# Altium PCB 大风车第三版.PcbDoc (part 1 of 2) (continued)
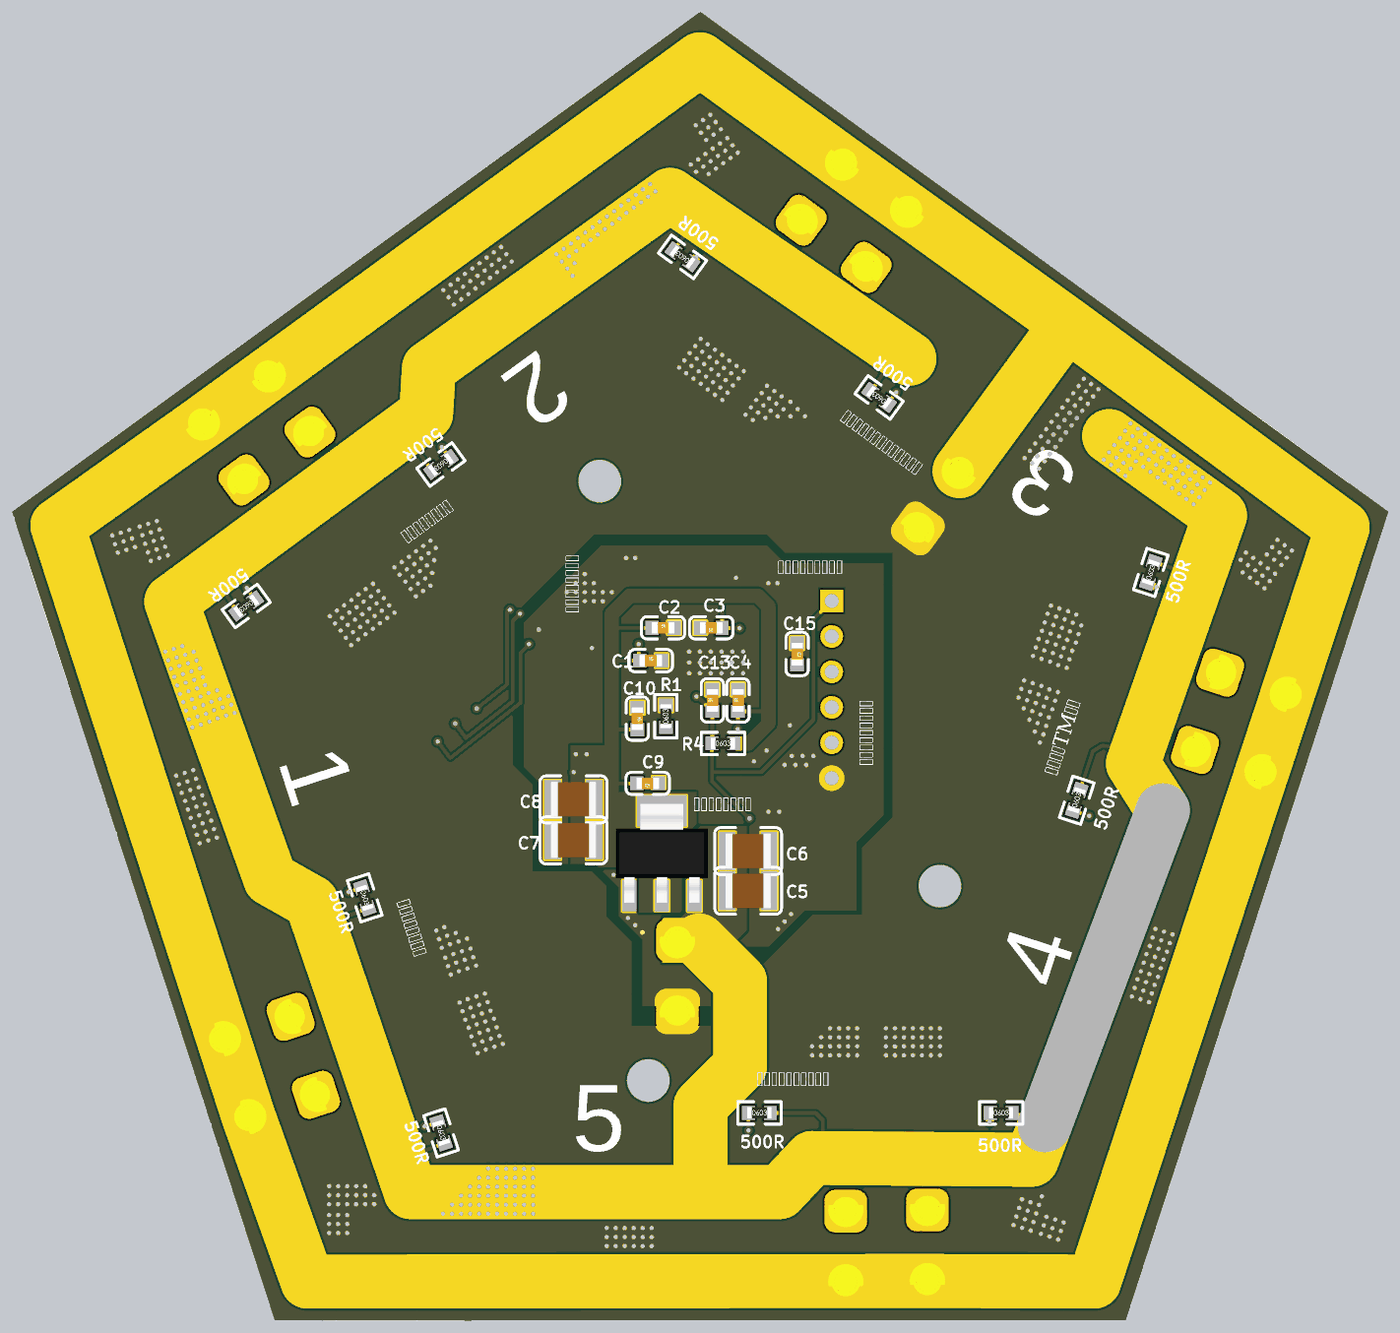
[diagram p6: 3D render of the assembled board from below, using the file's embedded part models]

## Layer stack, top to bottom
Top Solder: solder mask 0.0102, Solder Resist, Dk 3.5
Top Layer: signal copper 0.035
Dielectric 2: prepreg 0.0711, PP-006, Dk 4.1
Second Layer: signal copper 0.0356
Dielectric 1: dielectric 0.32, FR-4, Dk 4.8
Third Layer: signal copper 0.0356
Dielectric 3: prepreg 0.0711, PP-006, Dk 4.1
Bottom Layer 1: signal copper 0.035
Bottom Solder: solder mask 0.0102, Solder Resist, Dk 3.5

## Board outline
153.279,59.643 134.738,116.706 183.279,151.973 231.82,116.706 213.279,59.643

## Design rules (kind name [scope] priority, off if disabled: settings)
Clearance [All] p1: gap=0.152 ignorepadtopadclearanceinfootprint=FALSE
ComponentClearance [All] p1: gap=0 collisioncheckmode=3 verticalgap=0 showdistances=FALSE
PolygonConnect [All] p1: connectstyle=Direct reliefconductorwidth=0.254 reliefentries=4 polygonreliefangle="90 Angle" airgapwidth=0.254
RoutingVias [All] p1: holewidth=0.305 width=0.61 viastyle="Through Hole" minholewidth=0.305 minwidth=0.61 maxholewidth=0.711 maxwidth=1.27
SolderMaskExpansion [All] p1: expansion=0.102 istentingtop=FALSE
Width [All] p1: maxlimit=3.81 minlimit=0.203 preferedwidth=0.254
29 further rules are at their usual default settings.

## Classes and differential pairs
component class 大风车灯条: 10K C17 C18 D18 D19 D20 D21 D22 D23 D24 D25 G7 G8 G9 G10 I7 I8 I9 I10 J5 J6 P9 P10 P11 P12 R X4 X5
component class 大风车灯条2: 10K C16 D14 D15 D16 D17 G5 G6 I5 I6 J4 P7 P8 R X3
component class 大风车灯条1: 10K C14 C15 D6 D7 D8 D9 D10 D11 D12 D13 G1 G2 G3 G4 I1 I2 I3 I4 J2 J3 P3 P4 P5 P6 R X1
component class 大风车: C1 C2 C3 C4 C5 C6 C7 C8 C9 C10 C11 C12 C13 D1 D2 D3 D4 D5 J1 P1 P2 r R R1 R4 U1 U2 Y1 Z1

## Components (designator, comment, footprint, x,y, rotation, side; value= is the part's Value field where it differs from the comment)
10K "10K" 0603_R 160.914,111.39 r108 top (schematic designator R26)
10K "10K" 0603_R 202.108,108.85 r324 top (schematic designator R57)
10K "10K" 0603_R 162.783,105.64 r108 top (schematic designator R27)
10K "10K" 0603_R 207.044,105.333 r324 top (schematic designator R56)
10K "10K" 0603_R 199.524,103.52 r54 top (schematic designator R53)
10K "10K" 0603_R 201.042,102.417 r54 top (schematic designator R52)
10K "10K" 0603_R 196.531,85.297 r252 top (schematic designator R47)
10K "10K" 0603_R 194.63,79.446 r252 top (schematic designator R46)
10K "10K" 0603_R 190.455,86.175 r342 top (schematic designator R43)
10K "10K" 0603_R 189.847,84.304 r342 top (schematic designator R42)
10K "10K" 0603_R 172.138,82.604 r180 top (schematic designator R37)
10K "10K" 0603_R 171.096,88.7 r270 top (schematic designator R35)
10K "10K" 0603_R 166.069,82.731 r180 top (schematic designator R32)
10K "10K" 0603_R 169.211,88.7 r270 top (schematic designator R30)
10K "10K" 0603_R 168.02,108.437 r198 top (schematic designator R23)
10K "10K" 0603_R 167.444,110.209 r198 top (schematic designator R22)
10K "10K" 0603_R 186.31,125.33 r36 top (schematic designator R17)
10K "10K" 0603_R 181.548,121.714 r36 top (schematic designator R16)
10K "10K" 0603_R 187.292,118.634 r126 top (schematic designator R13)
10K "10K" 0603_R 185.84,117.579 r126 top (schematic designator R12)
500R "500R" 0603_R 201.572,120.042 r324 bottom (schematic designator R51)
500R "500R" 0603_R 215.31,110.061 r324 bottom (schematic designator R50)
500R "500R" 0603_R 206.948,89.468 r252 bottom (schematic designator R41)
500R "500R" 0603_R 201.56,72.887 r252 bottom (schematic designator R40)
500R "500R" 0603_R 179.103,74.294 r180 bottom (schematic designator R34)
500R "500R" 0603_R 162.046,74.294 r180 bottom (schematic designator R29)
500R "500R" 0603_R 156.715,96.357 r108 bottom (schematic designator R21)
500R "500R" 0603_R 151.493,112.428 r108 bottom (schematic designator R20)
500R "500R" 0603_R 184.529,134.693 r36 bottom (schematic designator R11)
500R "500R" 0603_R 170.661,124.774 r36 bottom (schematic designator R10)
C1 "?uF" 0603_C 186.761,106.208 r180 bottom
C2 "?uF" 0603_C 185.892,108.52 r180 bottom
C3 "?uF" 0603_C 182.514,108.52 r0 bottom
C4 "?uF" 0603_C 180.618,103.407 r90 bottom
C5 "47uF" 1210_C 179.899,89.971 r0 bottom
C6 "10uF" 1210_C 179.899,92.765 r0 bottom
C7 "47uF" 1210_C 192.225,93.527 r180 bottom
C8 "10uF" 1210_C 192.225,96.413 r180 bottom
C9 "?uF" 0603_C 186.992,97.548 r0 bottom
C10 "?uF" 0603_C 187.713,102.103 r270 bottom
C11 "15pF" 0603_C 191.563,102.534 r270 top
C12 "100nF" 0603_C 194.21,99.757 r0 top
C13 "100nF" 0603_C 182.423,103.407 r90 bottom
C14 "?uF" 0603_C 179.971,113.092 r0 top
C15 "?uF" 0603_C 176.443,106.667 r270 bottom
C16 "?uF" 0603_C 185.447,96.074 r180 top
C17 "?uF" 0603_C 193.892,108.393 r180 top
C18 "?uF" 0603_C 185.824,113.477 r180 top
D1 "LED0" LED-0603 187.598,91.655 r0 top
D2 "LED1" LED-0603 192.162,93.192 r270 top
D3 "LED2" LED-0603 176.465,90.366 r270 top
D4 "LED2" LED-0603 174.7,90.354 r270 top
D5 "LED2" LED-0603 172.935,90.354 r270 top
D6 "LED0" LED-0603 167.645,132.272 r306 top
D7 "LED0" LED-0603 178.963,140.495 r306 top
D8 "LED0" LED-0603 183.569,118.861 r36 top
D9 "LED0" LED-0603 188.367,122.428 r36 top
D10 "LED0" LED-0603 144.511,108.767 r18 top
D11 "LED0" LED-0603 148.721,95.81 r18 top
D12 "LED0" LED-0603 164.188,112.411 r108 top
D13 "LED0" LED-0603 166.178,106.699 r108 top
D14 "LED0" LED-0603 163.173,66.49 r90 top
D15 "LED0" LED-0603 166.111,86.287 r180 top
D16 "LED0" LED-0603 177.2,66.49 r90 top
D17 "LED0" LED-0603 172.179,86.16 r180 top
D18 "LED0" LED-0603 210.003,71.293 r162 top
D19 "LED0" LED-0603 214.438,84.941 r162 top
D20 "LED0" LED-0603 193.066,86.466 r252 top
D21 "LED0" LED-0603 191.165,80.616 r252 top
D22 "LED0" LED-0603 219.286,117.359 r234 top
D23 "LED0" LED-0603 208.004,125.555 r234 top
D24 "LED0" LED-0603 200.074,106.121 r324 top
D25 "LED0" LED-0603 204.978,102.559 r324 top
G1 "光耦" SMD-4 173.048,117.63 r216 top
G2 "光耦" SMD-4 186.89,127.531 r216 top
G3 "光耦" SMD-4 159.049,112.48 r288 top
G4 "光耦" SMD-4 164.27,96.409 r288 top
G5 "光耦" SMD-4 164.379,81.458 r0 top
G6 "光耦" SMD-4 181.435,81.458 r0 top
G7 "光耦" SMD-4 195.355,77.321 r72 top
G8 "光耦" SMD-4 200.726,93.85 r72 top
G9 "光耦" SMD-4 209.213,105.547 r144 top
G10 "光耦" SMD-4 195.481,115.524 r144 top
I1 "MOSFET-N" VSONP-8 178.026,130.656 r216 top
I2 "MOSFET-N" VSONP-8 182.862,134.17 r216 top
I3 "MOSFET-N" VSONP-8 151.443,110.843 r288 top
I4 "MOSFET-N" VSONP-8 153.312,105.093 r288 top
I5 "MOSFET-N" VSONP-8 163.663,74.354 r0 top
I6 "MOSFET-N" VSONP-8 169.732,74.354 r0 top
I7 "MOSFET-N" VSONP-8 202.527,74.35 r72 top
I8 "MOSFET-N" VSONP-8 204.41,80.146 r72 top
I9 "MOSFET-N" VSONP-8 214.391,111.351 r144 top
I10 "MOSFET-N" VSONP-8 209.488,114.913 r144 top
J1 "PH 6P" "XH 6P 2.54mm 立 贴" 174.006,104.164 r270 top
J2 "PH 3P" PH3P 149.182,112.949 r36 top
J3 "PH 3P" PH3P 161.379,72.322 r108 top
J4 "PH 3P" PH3P 203.876,71.155 r180 top
J5 "PH 3P" PH3P 217.967,111.369 r252 top
J6 "PH 3P" PH3P 183.955,137.119 r324 top
P1 "XT30" XT30-F 184.86,81.476 r90 top
P2 "XT30" XT30-F 167.893,115.531 r126 top
P3 "接线柱" XT30-F 171.541,133.951 r126 top
P4 "接线柱" XT30-F 176.127,137.283 r126 top
P5 "接线柱" XT30-F 146.593,105.328 r198 top
P6 "接线柱" XT30-F 148.366,99.872 r198 top
P7 "接线柱" XT30-F 167.282,67.422 r270 top
P8 "接线柱" XT30-F 173.041,67.345 r270 top
P9 "接线柱" XT30-F 210.42,75.591 r342 top
P10 "接线柱" XT30-F 212.208,81.092 r342 top
P11 "接线柱" XT30-F 215.463,118.984 r54 top
P12 "接线柱" XT30-F 210.811,122.365 r54 top
R "50K" 0603_R 162.485,111.901 r108 top (schematic designator R24)
R "50K" 0603_R 201.137,107.514 r324 top (schematic designator R55)
R "10K" 0603_R 172.985,93.549 r90 top (schematic designator R7)
R "10K" 0603_R 174.751,93.549 r90 top (schematic designator R6)
R "10K" 0603_R 176.516,93.549 r90 top (schematic designator R5)
R "50K" 0603_R 209.91,128.224 r54 top (schematic designator R49)
R "50K" 0603_R 221.317,119.936 r54 top (schematic designator R48)
R "50K" 0603_R 192.888,80.012 r252 top (schematic designator R44)
R "50K" 0603_R 217.565,83.953 r342 top (schematic designator R39)
R "50K" 0603_R 177.226,63.211 r270 top (schematic designator R33)
R "50K" 0603_R 163.045,63.211 r270 top (schematic designator R28)
R "50K" 0603_R 145.597,94.767 r198 top (schematic designator R19)
R "50K" 0603_R 141.327,107.909 r198 top (schematic designator R18)
R "50K" 0603_R 177.139,143.223 r126 top (schematic designator R9)
R "50K" 0603_R 165.696,134.909 r126 top (schematic designator R8)
R "50K" 0603_R 205.998,103.893 r324 top (schematic designator R54)
R "50K" 0603_R 194.789,85.863 r252 top (schematic designator R45)
R "50K" 0603_R 213.082,70.158 r342 top (schematic designator R38)
R "50K" 0603_R 172.138,84.382 r180 top (schematic designator R36)
R "50K" 0603_R 166.069,84.509 r180 top (schematic designator R31)
R "50K" 0603_R 164.474,106.189 r108 top (schematic designator R25)
R "50K" 0603_R 187.355,123.892 r36 top (schematic designator R15)
R "50K" 0603_R 182.593,120.275 r36 top (schematic designator R14)
R "100K" 0603_R 184.349,91.706 r0 top (schematic designator R2)
R "50K" 0603_R 192.213,96.402 r90 top (schematic designator R3)
R1 "10K" 0603_R 185.706,102.282 r90 bottom
R4 "10K" 0603_R 181.678,100.36 r180 bottom
U1 "STM32F103RGT6" STM32F1 202.222,73.019 r90 top
U2 "AMS1117" AMS1117 182.786,96.14 r0 bottom
X1 "XH5P" XH5P 158.13,114.186 r36 top
X2 "XH5P" XH5P 163.006,81.161 r108 top
X3 "XH5P" XH5P 195.782,75.54 r180 top
X4 "XH5P" XH5P 211.356,105.214 r252 top
X5 "XH5P" XH5P 187.864,129.015 r324 top
Y1 "电键" 电键 179.813,91.074 r90 top
Z1 "8MHz" OSC-SMD_4P-L2.5-W2.0-BL 195.635,100.715 r90 top

## Footprints (in the part's own frame and the unit in brackets; to place one, negate y for a bottom-side part, rotate by r counter-clockwise, add the part's x,y. Pads: shape width x height; smd on the part's side, far side on the other; paste and mask are expansions set on the pad)
0603_C [mm] "SMD, 0603"
  rect 0.93x0.98 smd: 1(-0.778,0) 2(0.762,0)
  silkscreen extent -1.54,-0.79 1.53,0.79, body extent -0.81,-0.4 0.79,0.4, height 0.3
0603_R [mm] "SMD, 0603"
  rect 0.93x0.98 smd: 1(-0.77,0) 2(0.77,0)
  silkscreen extent -1.54,-0.79 1.53,0.79, body extent -0.85,-0.4 0.85,0.4, height 0.56
1210_C [mm] "SMD, 1210"
  rect 1.16x2.72 smd: 1(-1.475,0) 2(1.475,0)
  silkscreen extent -2.36,-1.66 2.36,1.66, body extent -1.6,-1.25 1.6,1.25, height 1.3
AMS1117 [mm]
  rect 1x2.2 smd: 1(5.5,6.531) 2(3.2,6.531) 3(0.9,6.531)
  rect 3.5x2.2 smd: 2(3.2,0.531)
  silkscreen extent 0.2,2.13 6.2,4.93, body extent -0.04,0.04 6.44,7.02, height 1.64
LED-0603 [mm]
  rect 0.8x0.95 smd: 1(-0.849,0.051) 2(0.951,0.051)
  silkscreen extent -1.47,-0.66 1.57,0.76, body extent -0.75,-0.34 0.85,0.46, height 0.8
OSC-SMD_4P-L2.5-W2.0-BL [mm]
  rect 1x0.9 smd: 1(0.832,0.777) 2(2.692,0.777) 3(2.692,2.337) 4(0.832,2.337)
  silkscreen extent 0.06,-0.52 3.46,3.06
PH3P [mm]
  rect 1.6x4 smd: 0(-6.28,9.373) 0(4.216,9.373)
  rect 1.2x4 smd: 1(-3.032,5.893) 2(-1.032,5.893) 3(0.968,5.893)
  silkscreen extent -6.28,3.84 4.17,11.4, body extent -6.05,4.17 3.95,11.57, height 6.5
SMD-4 [mm]
  rect 1.5x2 smd: 1(-1.502,-0.538) 2(-4.042,-0.538) 3(-4.042,-9.838) 4(-1.502,-9.838)
  silkscreen extent -4.97,-8.19 -0.57,-2.19, body extent -5.06,-10.7 -0.49,0.22, height 3.7
STM32F1 [mm]
  oval 0.28x1.796 smd: 1(28.352,12.709) 2(28.852,12.709) 3(29.352,12.709) 4(29.852,12.709) 5(30.352,12.709) 6(30.852,12.709) 7(31.352,12.709) 8(31.852,12.709) 9(32.352,12.709) 10(32.852,12.709) 11(33.352,12.709) 12(33.852,12.709) 13(34.352,12.709) 14(34.852,12.709) 15(35.352,12.709) 16(35.852,12.709) 33(35.852,23.809) 34(35.352,23.809) 35(34.852,23.809) 36(34.352,23.809) 37(33.852,23.809) 38(33.352,23.809) 39(32.852,23.809) 40(32.352,23.809) 41(31.852,23.809) 42(31.352,23.809) 43(30.852,23.809) 44(30.352,23.809) 45(29.852,23.809) 46(29.352,23.809) 47(28.852,23.809) 48(28.352,23.809)
  oval 1.796x0.28 smd: 17(37.652,14.509) 18(37.652,15.009) 19(37.652,15.509) 20(37.652,16.009) 21(37.652,16.509) 22(37.652,17.009) 23(37.652,17.509) 24(37.652,18.009) 25(37.652,18.509) 26(37.652,19.009) 27(37.652,19.509) 28(37.652,20.009) 29(37.652,20.509) 30(37.652,21.009) 31(37.652,21.509) 32(37.652,22.009) 49(26.552,22.009) 50(26.552,21.509) 51(26.552,21.009) 52(26.552,20.509) 53(26.552,20.009) 54(26.552,19.509) 55(26.552,19.009) 56(26.552,18.509) 57(26.552,18.009) 58(26.552,17.509) 59(26.552,17.009) 60(26.552,16.509) 61(26.552,16.009) 62(26.552,15.509) 63(26.552,15.009) 64(26.552,14.509)
  silkscreen extent 27.55,12.21 36.35,22.51
VSONP-8 [mil]
  rect 29.5x39.37 smd: D(60.87,-102.33) D(110.87,-102.33) D(160.87,-102.33) D(210.87,-102.33) G(60.87,119.67) S(110.87,119.67) S(160.87,119.67) S(210.87,119.67)
  rect 189x185 smd: D(135.87,-20.32)
  silkscreen extent 24,-109 248,128
XH5P [mm]
  rect 1.8x3.4 smd: 0(-0.916,13.705) 0(15.444,13.705)
  rect 1.2x3.5 smd: 1(2.184,7.036) 2(4.724,7.036) 3(7.264,7.036) 4(9.804,7.036) 5(12.344,7.036)
  silkscreen extent -2.39,5.26 16.92,15.67
"XH 6P 2.54mm 立 贴" [mm]
  rect 1.6x1.6 hole 1: 1(-6.25,0)
  round 1.6 hole 1: 2(-3.75,0) 3(-1.25,0) 4(1.25,0) 5(3.75,0) 6(6.25,0)
  silkscreen extent -8.75,-3.45 8.75,2.35
XT30-F [mm]
  rrect50% 3x3 hole 2: 1(4.981,-0.026) 2(-0.019,-0.026)
  silkscreen extent -2.64,-2.71 7.59,2.69, body extent -2.79,-2.63 7.61,2.67, height 12.6
电键 [mm]
  rect 2x1.1 smd: 1(-4,0) 2(4,0)
  silkscreen extent -4,-2 4,2

## Part data
10K 10K 10K 10K 10K 10K 10K 10K 10K 10K 10K 10K 10K 10K 10K 10K 10K 10K 10K 10K 500R 500R 500R 500R 500R 500R 500R 500R 500R 500R R R R R R R R R R R R R R R R R R R R R R R R R R R1 R4: library part Res, LatestRevisionDate=17-Jul-2002, LatestRevisionNote="Re-released for DXP Platform.", PackageReference=AXIAL-0.4, Published=8-Jun-2000, Publisher="Altium Limited"
C1 C2 C3 C4 C5 C6 C7 C8 C9 C10 C11 C12 C13 C14 C15 C16 C17 C18: library part Cap, LatestRevisionDate=17-Jul-2002, LatestRevisionNote="Re-released for DXP Platform.", PackageReference=RAD-0.3, Published=8-Jun-2000, Publisher="Altium Limited"
D1 D6 D7 D8 D9 D10 D11 D12 D13 D14 D15 D16 D17 D18 D19 D20 D21 D22 D23 D24 D25: "发光二极管", LatestRevisionDate=08-Jul-2005, LatestRevisionNote="Mech Layer 1 removed.", PackageReference=LED-0, Published=8-Jun-2000, Publisher="Altium Limited"
D2 D3 D4 D5: library part LED0, "发光二极管", LatestRevisionDate=08-Jul-2005, LatestRevisionNote="Mech Layer 1 removed.", PackageReference=LED-0, Published=8-Jun-2000, Publisher="Altium Limited"

## Free pads (board coordinates)
  round 1.524 hole 3: 1(166.37,90.297) 2(190.373,118.872) 3(186.944,76.581)

## Via types
v1: diameter 0.61, hole 0.305, Top Layer to Bottom Layer 1, 844 vias

## Nets (pads, with @x,y where several pads share a name; then routed paths per layer and width w, separated by ;. In a path a pad name is that pad's centre, name@x,y a point inside that pad or via, vN(x,y) a via of type N, cw(c..) or ccw(c..) an arc to the next point about the centre after c; other vN are vias at no path point)
3.3V: C1.1 C2.1 C3.1 C4.1 C7.2 C8.2 C9.2 C10.2 C12.1 R4.2 R.2@192.213,97.172 U1.1 U1.13 U1.19 U1.32 U1.48 U1.64 U2.2 Z1.1 Z1.4 | length 62.7
  Top Layer w0.254: U1.48@178.413,101.371 v1(180.631,101.371) ; U1.32@180.213,110.671 180.213,108.786 v1(180.504,108.495) ; v1(186.727,108.495) U1.19@186.727,110.657 ; v1(187.616,107.371) U1.13@189.513,107.371 ; v1(187.713,97.7) U1.64@187.713,99.571 ; v1(187.743,101.383) 189.513,101.383 U1.1@189.513,101.371 ; R.2@192.213,97.172 v1(192.213,98.335)
  Bottom Layer 1 w0.254: 178.472,102.653 178.496,102.629 C4.1@180.618,102.629 180.618,101.371 v1(180.631,101.371) ; v1(180.504,108.495) 181.736,108.495 C3.1@181.736,108.52 181.736,110.69 cw(c181.865,110.69) 181.774,110.781 ; C2.1@186.67,108.52 C2.1@186.701,108.52 ; v1(186.727,108.495) C2.1@186.701,108.52 ; C1.1@187.539,106.208 C1.1@187.616,106.208 ; v1(187.616,107.371) C1.1@187.616,106.208 ; C10.2@187.713,101.341 187.743,101.341 189.521,101.341 189.521,101.383 ; C9.2@187.754,97.548 189.749,97.548 189.775,97.573 ; 189.521,106.336 189.521,106.208 C1.1@187.616,106.208 ; 189.521,108.495 189.521,108.52 186.727,108.52 C2.1@186.701,108.52
  Bottom Layer 1 w1.016: R4.2@180.631,100.36 179.876,100.36 178.472,101.764 178.472,102.653 178.472,110.019 179.234,110.781 181.736,110.781 ; 181.774,110.781 188.251,110.781 189.521,109.511 189.521,108.52 ; 189.521,99.859 189.521,101.341 ; 189.521,101.383 189.521,106.208 ; 189.521,106.336 189.521,108.495
  other v1: 191.299,99.605 192.061,99.605
5V: 500R.2 C5.2 C6.2 J2.3 J3.3 J4.3 J5.3 J6.3 P1.1 R.1@183.579,91.706 U2.3 X1.1 X2.1 X3.1 X4.1 X5.1 | length 271.1
  Bottom Layer 1 w0.254: 148.132,112.107 500R.2@151.255,113.16 ; 152.756,98.949 153.352,99.545 cw(c154.94,97.957) 154.94,100.203 155.575,99.822 500R.2@156.477,97.09 ; 170.132,126.825 500R.2@171.198,125.243 ; 175.388,71.119 174.625,71.119 174.625,73.787 175.132,74.294 500R.2@178.333,74.294 ; 183.379,137.682 500R.2@185.152,135.145 ; 500R.2@201.322,72.154 204.487,70.987 ; 500R.2@202.195,119.589 204.247,122.433 ; 500R.2@206.71,88.736 208.609,88.013 ; 500R.2@215.933,109.608 216.88,111.113
  Bottom Layer 1 w0.381: 158.977,73.431 500R.2@161.276,74.294
  Bottom Layer 1 w3.81: 154.432,122.047 146.611,116.433 148.132,112.107 152.756,98.949 150.637,95.639 158.977,73.431 159.893,70.993 175.388,71.119 177.673,68.707 183.261,68.707 ; 168.529,127.508 183.379,137.682 185.405,139.07 202.42,126.851 202.615,123.637 204.247,122.433 217.833,112.404 220.599,110.363 219.315,106.768 218.881,105.552 218.467,104.392 218.039,103.195 217.611,101.997 217.197,100.836 213.614,90.805 210.693,89.154 210.126,87.494 204.487,70.987 203.708,68.707 201.422,68.707 199.517,68.707 198.247,68.707 196.977,68.707 195.072,68.707 183.261,68.707 ; 183.358,86.457 180.467,83.566 180.467,77.597 183.261,74.803 183.261,68.707
  other v1: 195.072,67.183 195.707,67.183 196.342,67.183 196.977,67.183 197.612,67.183 198.247,67.183 198.882,67.183 199.517,67.183 200.152,67.183 200.787,67.183 201.422,67.183 195.072,67.818 195.707,67.818 196.342,67.818 196.977,67.818 197.612,67.818 198.247,67.818 198.882,67.818 199.517,67.818 200.152,67.818 200.787,67.818 195.072,68.453 195.707,68.453 196.342,68.453 196.977,68.453 197.612,68.453 198.247,68.453 198.882,68.453 199.517,68.453 200.152,68.453 195.072,69.088 195.707,69.088 196.342,69.088 196.977,69.088 197.612,69.088 198.247,69.088 198.882,69.088 199.517,69.088 195.072,69.723 195.707,69.723 196.342,69.723 196.977,69.723 197.612,69.723 198.247,69.723 198.882,69.723 195.072,70.358 195.707,70.358 196.342,70.358 196.977,70.358 197.612,70.358 198.247,70.358 157.549,73.183 157.353,73.787 157.957,73.983 157.157,74.391 157.761,74.587 158.331,74.83 156.914,74.961 157.518,75.157 158.088,75.4 156.718,75.565 157.322,75.761 157.892,76.004 156.522,76.169 158.496,76.2 157.126,76.365 157.696,76.608 156.279,76.739 158.3,76.804 156.883,76.935 157.453,77.178 156.083,77.343 158.057,77.374 156.687,77.539 157.257,77.782 155.887,77.947 157.861,77.978 156.491,78.143 158.465,78.174 157.061,78.386 155.644,78.517 157.665,78.582 156.248,78.713 158.269,78.778 156.818,78.956 155.448,79.121 157.422,79.152 156.052,79.317 158.026,79.348 156.622,79.56 155.252,79.725 157.226,79.756 155.856,79.921 157.83,79.952 156.426,80.164 157.03,80.36 157.634,80.556 183.515,91.694 219.113,101.5 218.509,101.696 217.905,101.892 219.356,102.07 217.335,102.135 218.752,102.266 216.731,102.331 218.148,102.462 216.127,102.527 219.552,102.674 217.578,102.705 218.948,102.87 216.974,102.901 218.344,103.066 216.37,103.097 219.748,103.278 217.774,103.309 219.144,103.474 217.17,103.505 218.54,103.67 216.566,103.701 219.991,103.848 217.97,103.913 219.387,104.044 217.366,104.109 218.783,104.24 220.187,104.452 218.213,104.483 219.583,104.648 218.979,104.844 218.375,105.04 220.383,105.056 219.779,105.252 219.175,105.448 220.626,105.626 218.567,105.664 218.567,105.664 220.022,105.822 219.418,106.018 218.826,106.223 220.822,106.23 220.218,106.426 219.614,106.622 219.022,106.827 221.018,106.834 220.414,107.03 219.81,107.226 148.465,117.234 148.979,117.608 148.069,117.731 149.492,117.981 148.582,118.104 147.695,118.245 149.989,118.377 149.096,118.478 148.209,118.618 150.503,118.751 147.322,118.758 149.593,118.874 148.723,118.991 147.836,119.132 151.016,119.124 153.287,119.24 150.106,119.247 149.219,119.388 148.349,119.505 151.513,119.52 150.62,119.621 153.784,119.636 149.733,119.761 152.914,119.753 152.027,119.894 148.846,119.901 151.117,120.017 154.297,120.009 150.247,120.134 153.41,120.15 149.36,120.275 152.54,120.267 154.811,120.383 151.63,120.39 150.743,120.531 153.924,120.523 149.873,120.648 153.037,120.663 152.144,120.764 151.257,120.904 154.438,120.896 153.551,121.037 150.37,121.044 152.641,121.16 151.771,121.277 150.884,121.418 154.064,121.41 153.154,121.533 152.267,121.674 151.397,121.791 153.668,121.907 152.781,122.047 151.894,122.187 153.295,122.42 152.408,122.561 152.921,122.934 192.284,133.358 192.657,133.871 192.143,134.245 193.053,134.368 192.54,134.741 193.427,134.882 192.026,135.115 192.913,135.255 191.529,135.511 192.399,135.628 191.016,135.884 191.903,136.025 190.502,136.258 191.389,136.398 190.005,136.654 190.875,136.771 189.492,137.027 190.379,137.168 188.978,137.401 189.865,137.541 188.481,137.797 189.351,137.914 187.968,138.17 188.855,138.311 187.454,138.544 188.341,138.684 186.957,138.94 187.827,139.057 186.444,139.313 187.331,139.454 186.817,139.827
12V: P2.1 P3.1 P4.1 P5.1 P6.1 P7.1 P8.1 P9.1 P10.1 P11.1 P12.1 R.2@140.595,107.671 R.2@144.864,94.529 R.2@163.045,62.441 R.2@165.244,135.532 R.2@176.686,143.846 R.2@177.226,62.441 R.2@210.363,128.847 R.2@213.815,69.92 R.2@218.297,83.715 R.2@221.769,120.559 | length 334.7
  Top Layer w0.254: R.2@140.595,107.671 P5.1@141.848,103.814 ; P6.1@143.62,98.358 R.2@144.864,94.529 ; R.2@163.045,62.441 P7.1@167.256,62.441 ; R.2@165.244,135.532 P3.1@168.634,137.996 ; P8.1@173.015,62.365 R.2@177.226,62.441 ; P4.1@173.22,141.327 R.2@176.686,143.846 ; R.2@210.363,128.847 P12.1@213.76,126.379 ; R.2@213.815,69.92 P9.1@215.149,74.027 ; P10.1@216.937,79.529 R.2@218.297,83.715 ; P11.1@218.412,122.999 R.2@221.769,120.559
  Bottom Layer 1 w3.81: P2.1@164.986,119.576 157.39,129.958 ; 157.39,129.958 137.959,115.607 P5.1@141.848,103.814 143.642,98.365 155.485,62.394 P7.1@167.256,62.441 173.015,62.435 210.984,62.394 P9.1@215.149,74.027 216.929,79.531 228.637,115.734 P11.1@218.412,122.999 213.767,126.389 183.298,148.627 P4.1@173.22,141.327 168.616,138.021 157.39,129.958
GND: 10K.1@161.152,110.658 10K.1@163.021,104.907 10K.1@166.839,82.731 10K.1@172.908,82.604 10K.1@180.925,121.261 10K.1@185.687,124.878 10K.1@194.868,80.179 10K.1@196.769,86.029 10K.1@201.485,109.302 10K.1@206.422,105.786 C1.2 C2.2 C3.2 C4.2 C5.1 C6.1 C7.1 C8.1 C9.1 C10.1 C11.2 C12.2 C13.2 C14.1 C15.1 C16.1 C17.1 C18.1 D1.2 D2.2 D3.2 D4.2 D5.2 D8.2 D9.2 D12.2 D13.2 D15.2 D17.2 D20.2 D21.2 D24.2 D25.2 G1.2 G2.2 G3.2 G4.2 G5.2 G6.2 G7.2 G8.2 G9.2 G10.2 I1.S I2.S I3.S I4.S I5.S I6.S I7.S I8.S I9.S I10.S J1.6 J2.0 J2.1 J3.0 J3.1 J4.0 J4.1 J5.0 J5.1 J6.0 J6.1 P1.2 P2.2 R1.2 U1.6 U1.12 U1.18 U1.31 U1.47 U1.63 U2.1 X1.0 X1.2 X2.0 X2.2 X3.0 X3.2 X4.0 X4.2 X5.0 X5.2 Y1.1 Z1.2
  other v1: 186.705,64.902 187.34,64.902 187.975,64.902 188.61,64.902 189.245,64.902 189.88,64.902 158.034,65.364 186.705,65.537 187.34,65.537 187.975,65.537 188.61,65.537 189.245,65.537 189.88,65.537 158.638,65.561 159.242,65.757 208.19,65.823 208.825,65.823 209.46,65.823 157.838,65.968 159.967,65.992 158.442,66.165 186.705,66.172 187.34,66.172 187.975,66.172 188.61,66.172 189.245,66.172 189.88,66.172 160.57,66.189 159.046,66.361 161.174,66.385 208.19,66.458 208.825,66.458 209.46,66.458 157.642,66.572 159.77,66.596 158.245,66.768 160.374,66.792 158.849,66.965 160.978,66.989 208.19,67.093 208.825,67.093 209.46,67.093 159.574,67.2 160.178,67.396 160.782,67.593 159.378,67.804 206.285,67.855 206.92,67.855 207.555,67.855 208.19,67.855 208.825,67.855 209.46,67.855 159.982,68 160.586,68.196 159.182,68.408 206.285,68.49 206.92,68.49 207.555,68.49 208.19,68.49 208.825,68.49 209.46,68.49 206.92,69.125 207.555,69.125 208.19,69.125 208.825,69.125 209.46,69.125 166.37,78.359 167.005,78.359 167.64,78.359 168.275,78.359 168.91,78.359 169.545,78.359 170.18,78.359 172.212,78.359 172.847,78.359 173.482,78.359 174.117,78.359 174.752,78.359 175.387,78.359 198.982,78.524 198.412,78.767 197.808,78.963 166.37,78.994 167.005,78.994 167.64,78.994 168.275,78.994 168.91,78.994 169.545,78.994 170.18,78.994 172.212,78.994 172.847,78.994 173.482,78.994 174.117,78.994 174.752,78.994 175.387,78.994 199.225,79.094 197.204,79.159 198.655,79.337 198.051,79.533 166.37,79.629 167.005,79.629 167.64,79.629 168.275,79.629 168.91,79.629 169.545,79.629 170.18,79.629 172.212,79.629 172.847,79.629 173.482,79.629 174.117,79.629 174.752,79.629 199.421,79.698 197.447,79.729 198.851,79.941 198.247,80.137 166.37,80.264 167.005,80.264 167.64,80.264 168.275,80.264 168.91,80.264 169.545,80.264 170.18,80.264 172.212,80.264 172.847,80.264 173.482,80.264 174.117,80.264 199.617,80.302 197.643,80.333 199.047,80.545 198.443,80.741 199.86,80.872 197.839,80.937 199.29,81.115 198.686,81.311 200.056,81.476 198.082,81.507 199.486,81.719 198.882,81.915 200.252,82.08 151.621,82.118 198.278,82.111 152.225,82.315 199.682,82.323 152.829,82.511 199.078,82.519 151.425,82.722 198.474,82.715 152.029,82.919 152.632,83.115 151.228,83.326 151.832,83.523 152.436,83.719 150.986,83.896 200.876,84.047 151.59,84.093 152.194,84.289 200.306,84.29 199.702,84.486 150.79,84.5 201.072,84.651 199.098,84.682 151.394,84.697 151.997,84.893 200.502,84.894 199.898,85.09 150.593,85.104 201.268,85.255 151.197,85.301 199.294,85.286 151.801,85.497 200.698,85.498 150.351,85.674 200.094,85.694 150.955,85.871 199.49,85.89 201.511,85.952 151.559,86.067 200.941,86.195 150.155,86.278 200.337,86.391 150.759,86.475 201.707,86.556 199.733,86.587 151.362,86.671 201.137,86.799 149.958,86.882 200.533,86.995 187.362,87.032 150.562,87.079 201.903,87.16 151.166,87.275 177.79,87.266 201.333,87.403 187.87,87.54 177.329,87.794 188.378,88.048 176.868,88.322 189.394,91.096 218.593,93.322 217.989,93.519 217.385,93.715 218.79,93.926 218.186,94.123 217.582,94.319 218.986,94.53 218.382,94.727 217.778,94.923 219.228,95.1 218.624,95.297 218.02,95.493 177.71,95.541 178.472,95.541 219.425,95.704 218.821,95.901 218.217,96.097 219.621,96.308 219.017,96.505 218.413,96.701 219.863,96.878 219.259,97.075 218.655,97.271 220.06,97.482 219.456,97.679 218.852,97.875 220.256,98.086 219.652,98.283 219.048,98.479 175.805,98.843 176.567,98.843 177.329,98.843 179.488,99.097 175.297,99.478 176.059,99.478 176.821,99.478 178.599,99.859 159.316,100.426 159.073,100.996 159.677,101.192 158.877,101.6 176.948,101.637 159.481,101.796 160.051,102.039 158.681,102.204 159.285,102.4 159.855,102.643 158.438,102.774 160.459,102.839 159.042,102.97 159.612,103.213 158.242,103.378 160.216,103.409 158.846,103.574 160.82,103.605 159.416,103.817 158.046,103.982 160.02,104.013 158.65,104.178 160.624,104.209 159.22,104.421 159.824,104.617 160.428,104.813 180.25,105.32 181.012,105.32 181.774,105.32 182.536,105.32 183.298,105.32 184.06,105.32 157.422,105.695 158.026,105.891 180.25,106.082 181.012,106.082 181.774,106.082 182.536,106.082 183.298,106.082 184.06,106.082 158.596,106.134 157.226,106.299 159.2,106.33 157.83,106.495 159.804,106.526 158.4,106.738 180.25,106.844 181.012,106.844 181.774,106.844 182.536,106.844 183.298,106.844 184.06,106.844 157.03,106.903 159.004,106.934 190.918,107.098 157.634,107.099 159.608,107.13 207.901,107.302 158.204,107.342 156.787,107.473 158.808,107.538 157.391,107.669 207.404,107.698 159.412,107.734 208.274,107.815 157.961,107.912 156.591,108.077 206.891,108.071 158.565,108.108 207.778,108.212 157.195,108.273 159.169,108.304 208.648,108.329 194.67,108.393 206.377,108.445 157.765,108.516 207.264,108.585 156.395,108.681 158.369,108.712 208.151,108.725 209.044,108.826 205.88,108.841 156.999,108.877 158.973,108.908 206.75,108.958 207.637,109.099 157.569,109.12 205.367,109.214 208.547,109.222 158.173,109.316 206.254,109.355 209.417,109.339 156.756,109.447 207.124,109.472 158.777,109.512 204.853,109.588 208.034,109.595 157.326,109.69 205.74,109.728 208.921,109.736 157.93,109.886 206.627,109.868 207.52,109.969 158.534,110.082 205.226,110.101 208.407,110.109 206.113,110.242 207.023,110.365 190.156,110.4 190.791,110.4 191.426,110.4 207.893,110.482 205.6,110.615 203.34,110.746 206.51,110.738 207.397,110.879 189.521,111.035 190.156,111.035 190.791,111.035 191.426,111.035 192.061,111.035 192.696,111.035 205.996,111.112 202.827,111.119 203.714,111.26 206.883,111.252 143.471,111.309 202.313,111.493 203.2,111.633 206.369,111.625 177.837,111.67 178.472,111.67 190.791,111.67 191.426,111.67 192.061,111.67 143.985,111.682 204.087,111.773 143.098,111.822 202.686,112.006 180.758,112.051 144.499,112.055 203.573,112.147 143.612,112.196 204.483,112.27 191.426,112.305 142.725,112.336 202.19,112.403 145.012,112.428 203.06,112.52 144.125,112.569 203.97,112.643 143.238,112.709 204.857,112.784 202.563,112.916 142.277,112.952 144.639,112.942 203.456,113.017 143.752,113.083 204.343,113.157 222.046,113.244 202.049,113.29 145.153,113.315 142.791,113.326 202.959,113.413 187.87,113.448 188.505,113.448 221.442,113.44 141.904,113.466 144.266,113.456 203.829,113.53 220.838,113.636 143.304,113.699 202.446,113.786 144.78,113.829 224.371,113.824 142.417,113.839 222.242,113.848 203.333,113.927 141.53,113.98 223.767,114.02 221.638,114.044 201.932,114.16 142.931,114.213 223.163,114.216 221.034,114.24 202.819,114.3 142.044,114.353 224.567,114.428 222.438,114.452 223.963,114.624 221.835,114.648 202.305,114.673 142.558,114.726 223.359,114.82 221.231,114.844 224.763,115.032 222.635,115.056 222.031,115.252 224.16,115.228 223.556,115.424 221.427,115.448 222.831,115.66 222.227,115.856 221.623,116.052 159.363,119.75 159.876,120.123 158.989,120.264 160.39,120.497 159.503,120.637 158.616,120.778 160.017,121.01 159.13,121.151 158.22,121.274 159.644,121.524 158.733,121.647 157.846,121.788 159.247,122.021 158.36,122.161 157.473,122.302 158.874,122.534 157.987,122.675 157.077,122.798 158.501,123.048 157.59,123.171 179.57,123.184 156.703,123.312 178.683,123.325 175.895,123.444 176.911,123.444 177.813,123.442 158.104,123.545 180.084,123.558 157.217,123.685 179.197,123.698 156.33,123.826 178.31,123.838 177.417,123.939 176.403,123.952 157.731,124.058 179.711,124.071 156.844,124.199 178.824,124.212 155.934,124.322 177.914,124.335 176.911,124.46 157.358,124.572 179.337,124.585 181.724,124.589 156.447,124.695 178.427,124.708 155.56,124.836 177.54,124.849 182.237,124.962 156.961,125.069 178.941,125.082 181.35,125.103 156.074,125.209 178.054,125.222 182.751,125.336 155.187,125.35 181.864,125.476 156.588,125.582 178.568,125.595 180.977,125.616 155.701,125.723 183.248,125.732 182.378,125.849 181.491,125.99 156.215,126.096 180.581,126.113 183.761,126.105 182.874,126.246 182.004,126.363 184.275,126.479 181.094,126.486 180.207,126.627 183.388,126.619 182.501,126.759 181.608,126.86 184.772,126.875 180.721,127 183.902,126.992 183.015,127.133 182.105,127.256 181.235,127.373 184.398,127.389 183.528,127.506 182.618,127.629 181.731,127.77 184.025,127.902 183.132,128.003 182.245,128.143 183.629,128.399 182.759,128.516 183.255,128.913 200.659,131.324 200.145,131.698 201.032,131.838 199.631,132.071 200.518,132.211 201.405,132.352 199.135,132.467 200.004,132.585 200.891,132.725 198.621,132.841 199.508,132.981 200.378,133.098 198.107,133.214 198.994,133.354 199.881,133.495 197.611,133.61 198.48,133.728 199.367,133.868 197.097,133.984 197.984,134.124 198.854,134.241 196.583,134.357 197.47,134.497 198.357,134.638 196.956,134.871 197.843,135.011 197.33,135.384 182.686,140.55 183.573,140.691 182.172,140.924 183.059,141.064 183.946,141.205 181.658,141.297 182.545,141.437 183.432,141.578 181.144,141.67 182.031,141.811 182.918,141.951 180.631,142.043 181.518,142.184 182.405,142.324 181.004,142.557 181.891,142.698 182.853,142.941 181.377,143.071 182.339,143.314 183.226,143.454 181.825,143.687 182.712,143.828 183.599,143.968 182.198,144.201 183.085,144.341 182.572,144.715
NetD1_1: D1.1 R.2@185.119,91.706 | length 1.6
  Top Layer w0.254: R.2@185.119,91.706 D1.1@186.749,91.706